# Altium PCB PCB2.PcbDoc
Units mm, origin at the board's own origin, x right, y up, seen from the top; angles counter-clockwise.
Board outline 99.85 x 79.21 mm, 2 copper layers (Top Layer, Bottom Layer); 37 components, 28 nets, 189 pads, 33 vias.
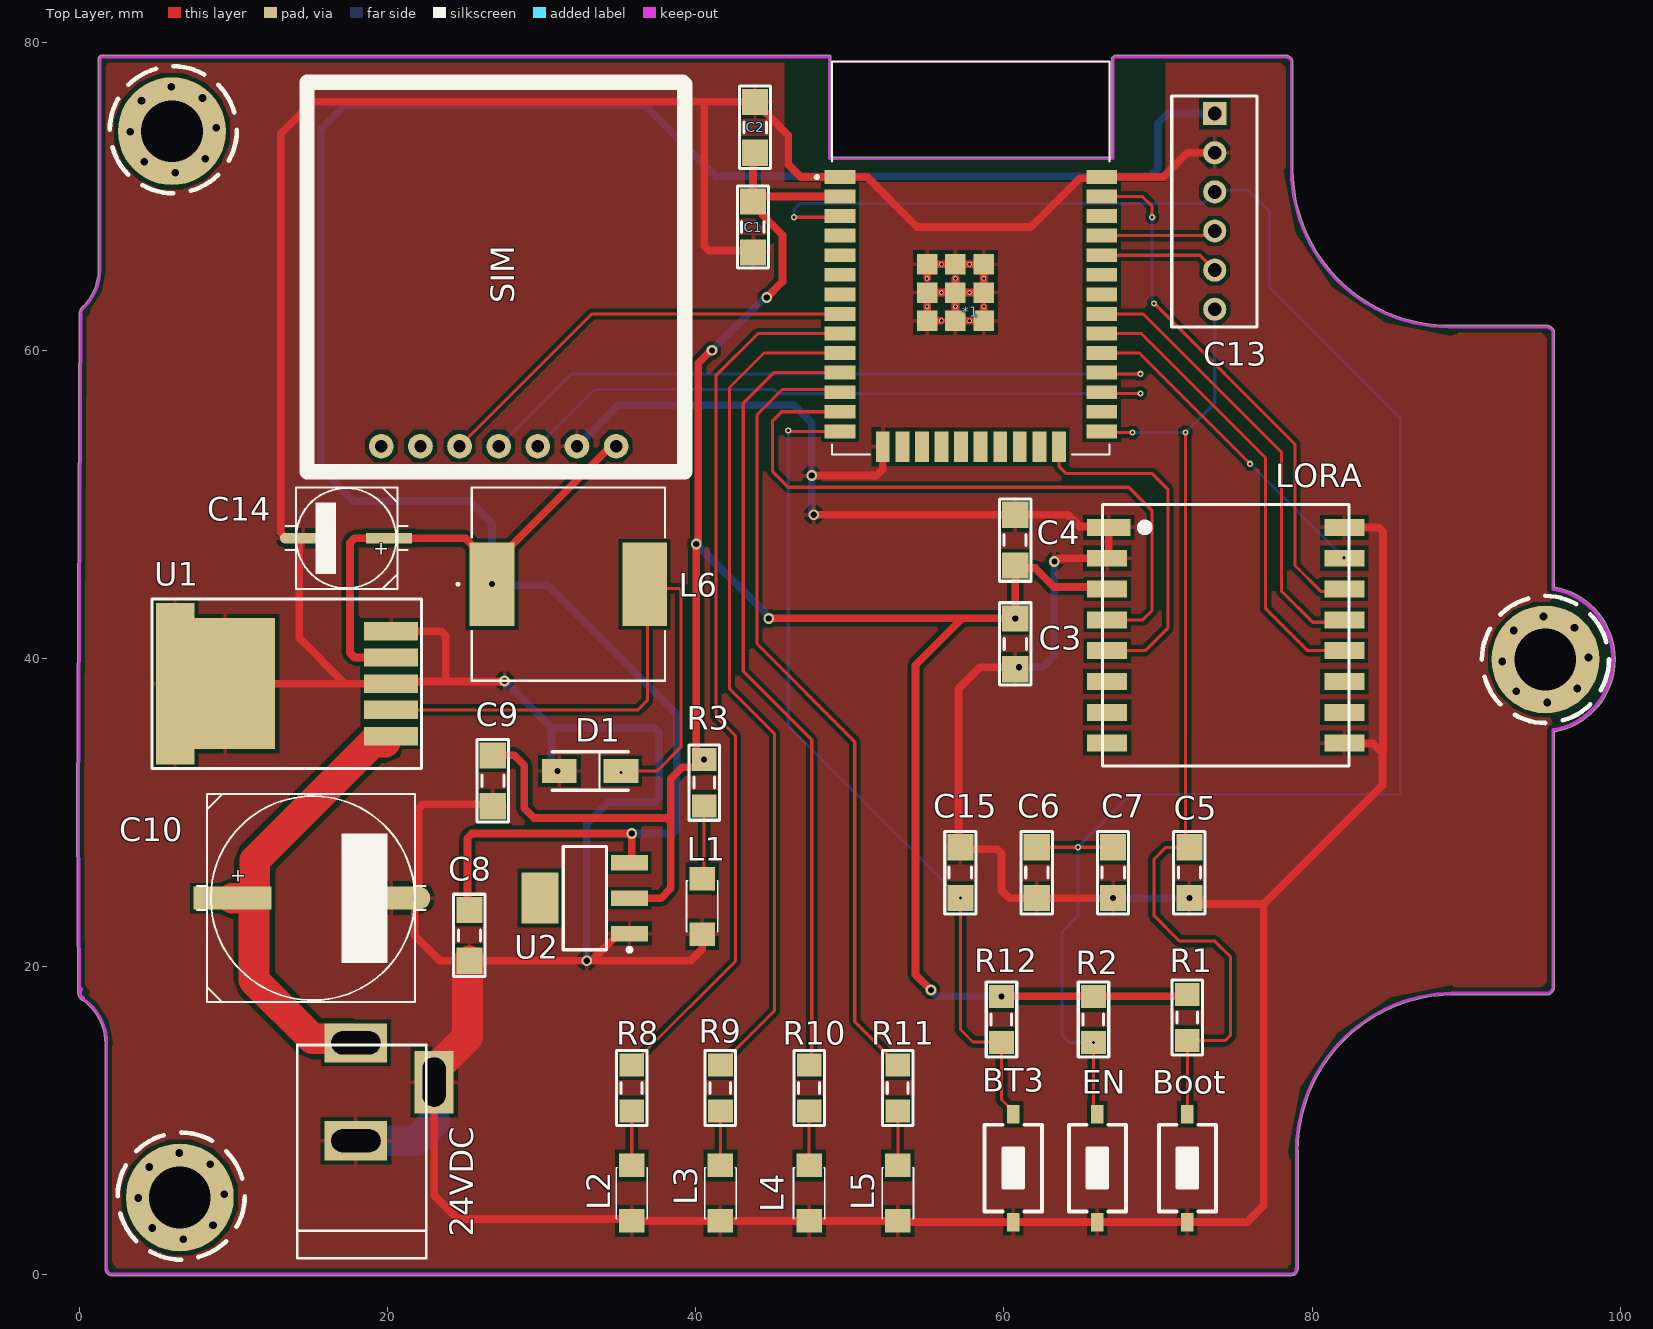
[diagram p0: Top Layer view]
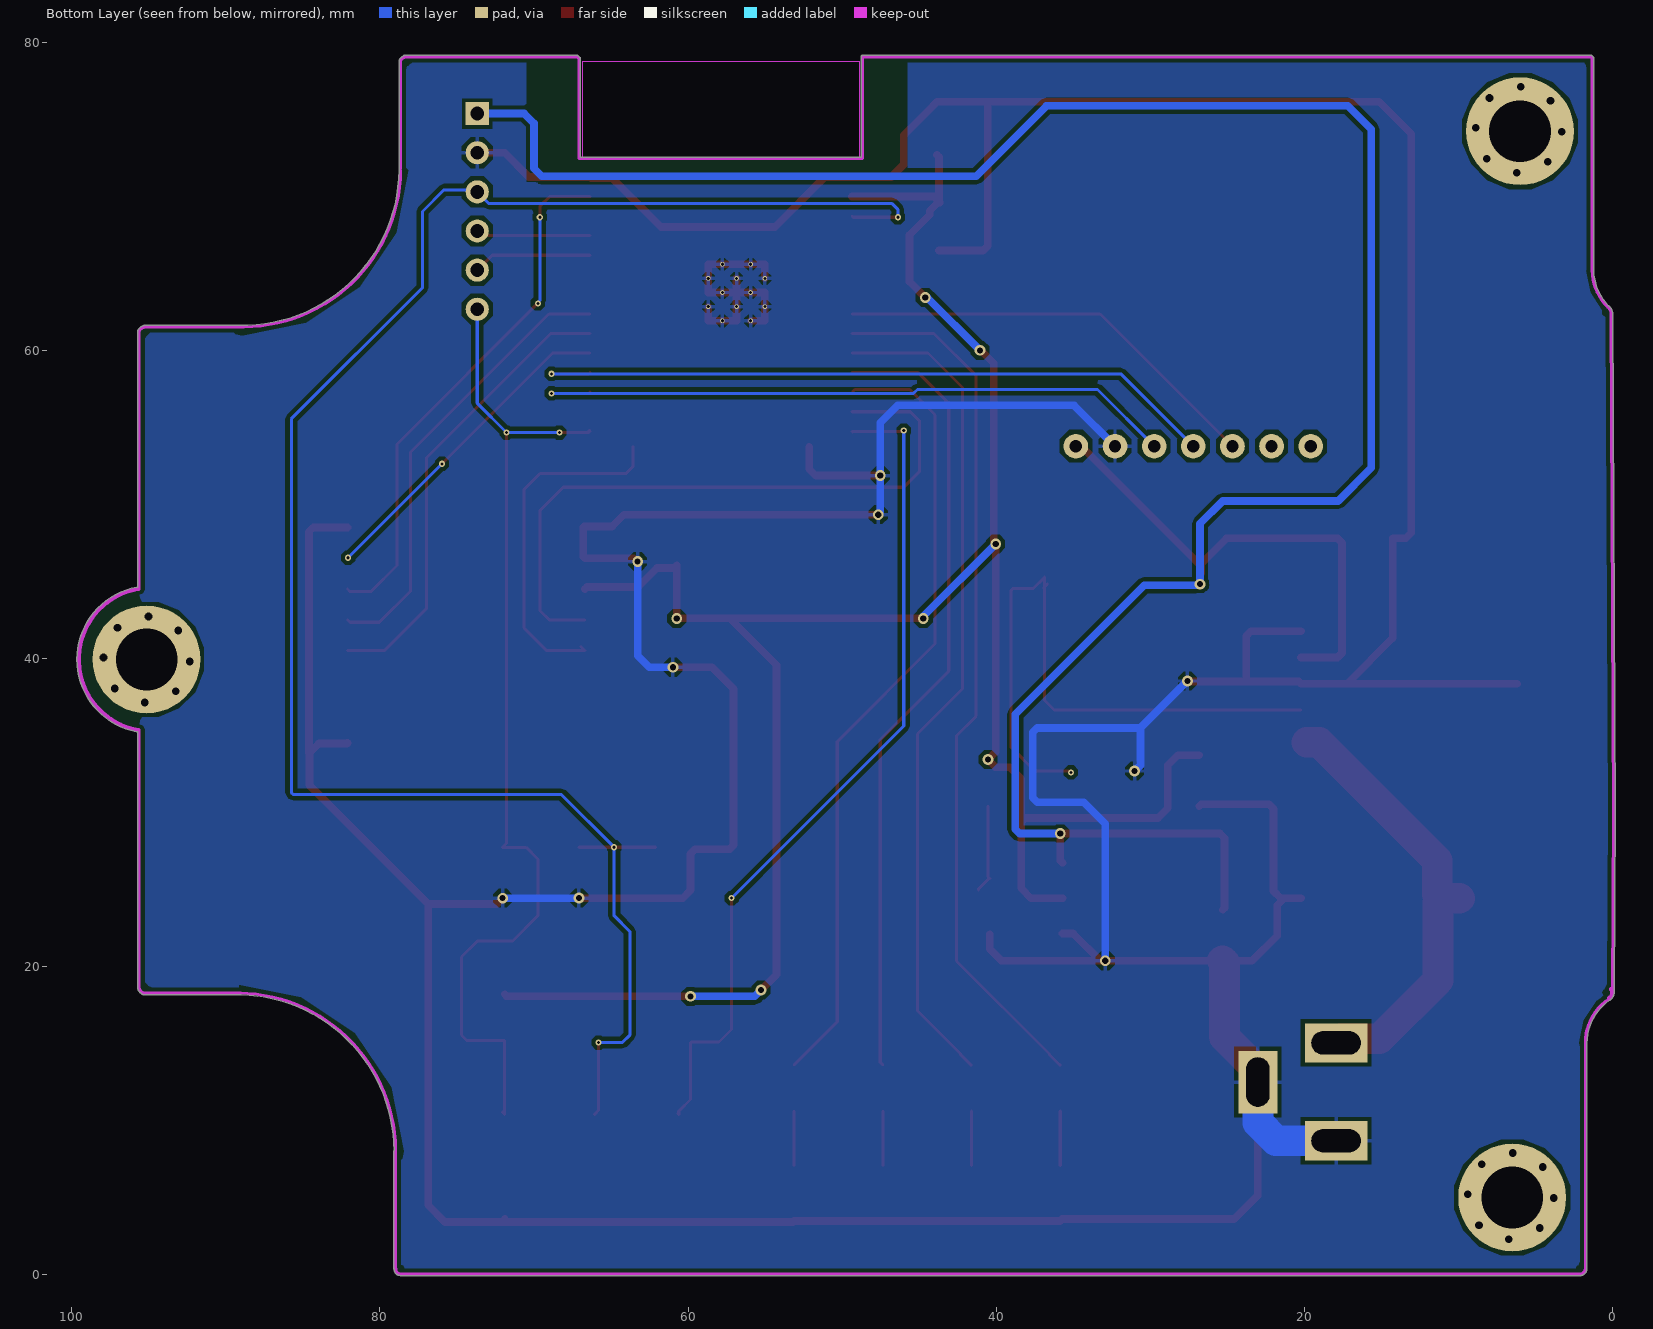
[diagram p1: Bottom Layer view, seen from below]
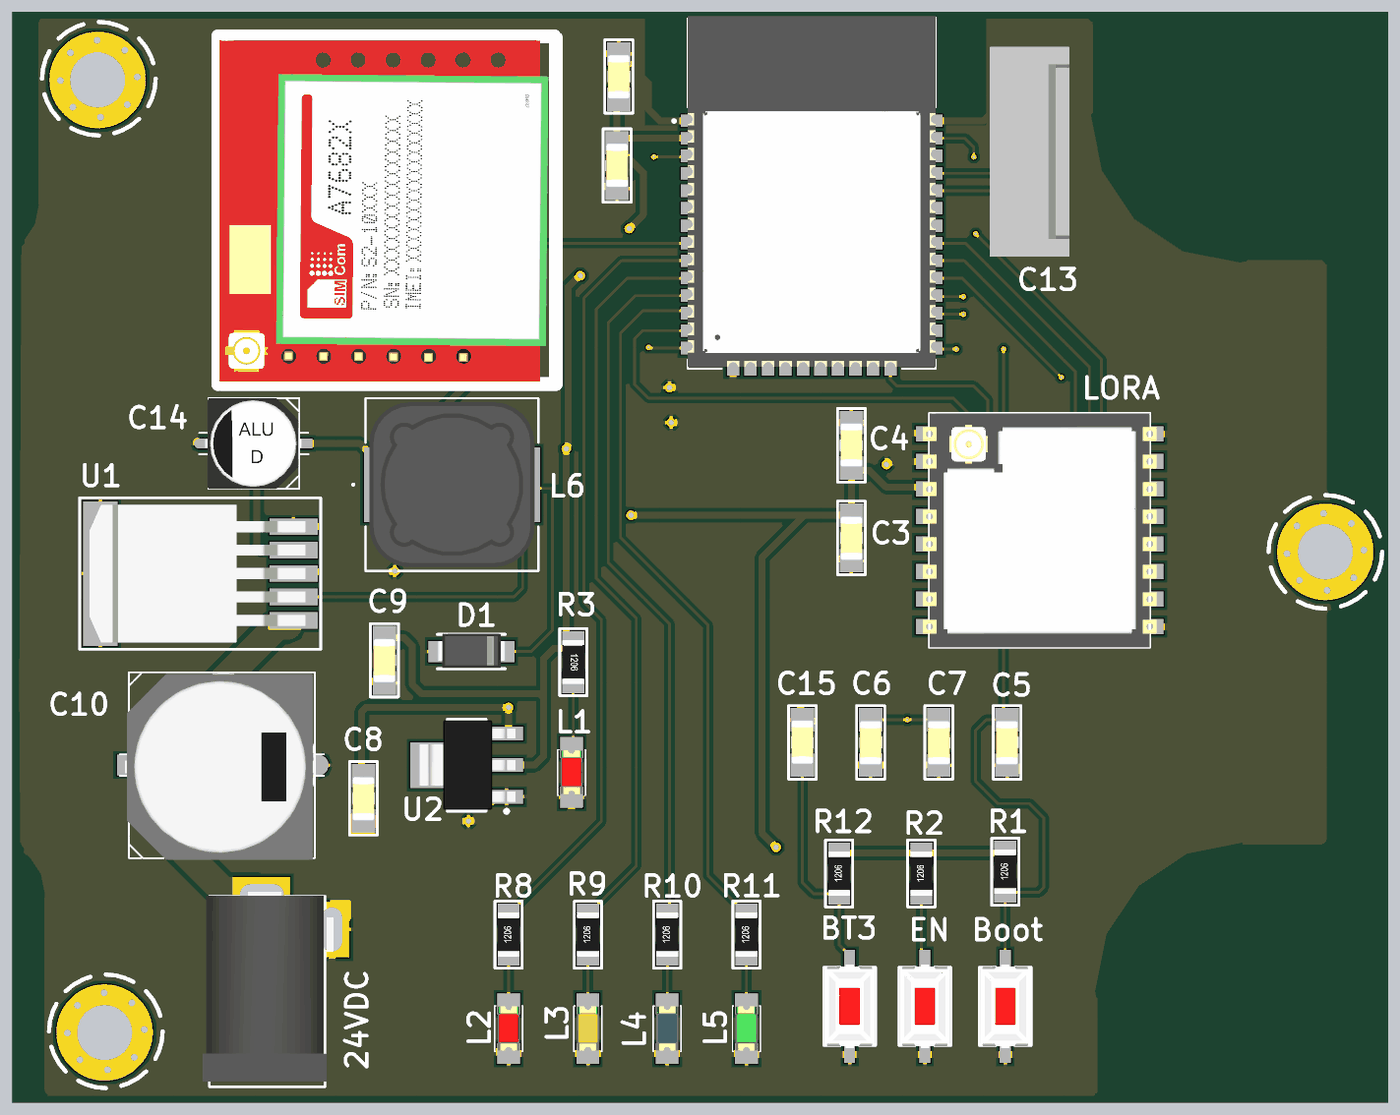
[diagram p2: 3D render of the assembled board from above, using the file's embedded part models]

## Layer stack, top to bottom
Top Solder: solder mask 0.0102, Solder Resist, Dk 3.5
Top Layer: signal copper 0.0356
Dielectric 1: dielectric 0.32, FR-4, Dk 4.8
Bottom Layer: signal copper 0.0356
Bottom Solder: solder mask 0.0102, Solder Resist, Dk 3.5

## Board outline
0.124,17.88 cw(c0.409,18.309) -0.104,18.354 -0.174,30.043 -0.022,62.425 cw(c0.626,62.372) 0.251,62.903 ccw(c-2.136,65.258) 1.216,65.206 1.216,78.983 cw(c1.317,78.983) 1.237,79.043 cw(c1.679,78.71) 1.337,79.145 cw(c1.399,79.066) 1.412,79.166 48.669,79.166 cw(c48.669,79.066) 48.769,79.066 48.769,72.562 66.983,72.562 66.983,78.939 cw(c67.084,78.939) 67.013,79.01 67.14,79.137 cw(c67.211,79.066) 67.211,79.166 78.12,79.166 cw(c78.231,78.583) 78.342,79.166 78.391,79.166 cw(c78.391,79.066) 78.474,79.123 cw(c78.231,78.604) 78.755,78.833 cw(c78.663,78.793) 78.764,78.793 78.764,71.801 cw(c78.664,71.801) 78.748,71.746 cw(c78.659,71.7) 78.759,71.701 ccw(c88.928,71.801) 89.131,61.634 cw(c89.156,61.537) 89.156,61.637 89.26,61.637 ccw(c88.928,71.797) 89.379,61.642 cw(c89.383,61.542) 89.414,61.637 95.299,61.637 cw(c95.299,61.537) 95.37,61.608 cw(c95.194,61.054) 95.723,61.293 cw(c95.614,61.242) 95.735,61.246 cw(c95.634,61.246) 95.734,61.232 95.734,44.652 cw(c94.921,40.081) 95.785,44.642 cw(c94.897,39.95) 99.673,39.95 cw(c94.897,39.95) 95.81,35.262 cw(c94.896,39.953) 95.734,35.248 95.734,29.1 95.734,18.644 cw(c95.633,18.644) 95.731,18.619 cw(c95.125,18.76) 95.386,18.195 cw(c95.344,18.286) 95.334,18.186 89.029,18.186 cw(c89.029,18.286) 89.008,18.188 ccw(c89.258,8.022) 79.089,8.071 cw(c78.994,8.039) 79.094,8.039 79.094,7.69 ccw(c89.256,8.022) 79.099,7.571 cw(c78.984,7.568) 79.094,7.536 79.094,0.412 cw(c78.994,0.412) 79.077,0.357 cw(c78.682,0.357) 78.687,-0.038 2.021,-0.038 cw(c2.021,0.062) 1.991,-0.034 cw(c2.136,0.427) 1.653,0.405 1.653,15.035 ccw(c-1.853,15.053) 1.653,15.052 ccw(c-1.7,15.052) 0.157,17.844 cw(c0.213,17.928)

## Design rules (kind name [scope] priority, off if disabled: settings)
Clearance Clearance_power [InNetClass('power')] p1: gap=0.254 ignorepadtopadclearanceinfootprint=FALSE
Clearance Clearance_Signal [All] p2: gap=0.127 ignorepadtopadclearanceinfootprint=FALSE
PolygonConnect [All] p1: connectstyle=Relief reliefconductorwidth=0.254 reliefentries=4 polygonreliefangle="90 Angle" airgapwidth=0.254
RoutingVias RoutingVias_power [InNetClass('power')] p1: holewidth=0.4 width=0.7 viastyle="Through Hole" minholewidth=0.4 minwidth=0.7 maxholewidth=0.6 maxwidth=1.1
RoutingVias RoutingVias_1 [All] p2: holewidth=0.2 width=0.4 viastyle="Through Hole" minholewidth=0.2 minwidth=0.4 maxholewidth=0.2 maxwidth=0.4
SolderMaskExpansion [All] p1: expansion=0.102 istentingtop=FALSE
Width Width_power [InNetClass('power')] p1: maxlimit=2 minlimit=0.254 preferedwidth=0.5
Width Width_Signal [All] p2: maxlimit=0.2 minlimit=0.2 preferedwidth=0.2
30 further rules are at their usual default settings.

## Components (designator, comment, footprint, x,y, rotation, side; value= is the part's Value field where it differs from the comment)
24VDC "JACK DC 5.5" "JACK DC 5.5" 20.475,11.883 r90 top value="Jac DC"
*1 "ESP32 WROOM 32" ESP32-WROOM-32D 57.854,66.009 r0 top
Boot "Nut Nhan 2 Chan SMD 3x6x2.5" "Nut Nhan 2 Chan SMD 3x6x2.5" 71.91,6.93 r90 top
BT3 "Nut Nhan 2 Chan SMD 3x6x2.5" "Nut Nhan 2 Chan SMD 3x6x2.5" 60.607,6.93 r90 top
C1 "106" "tu 1206" 43.716,68.017 r90 top
C2 "104" "tu 1206" 43.843,74.494 r270 top
C3 "104" "tu 1206" 60.734,40.966 r270 top
C4 "106" "tu 1206" 60.734,47.696 r90 top
C5 "104" "tu 1206" 72.037,26.107 r270 top
C6 "105" "tu 1206" 62.131,26.107 r270 top
C7 "104" "tu 1206" 67.084,26.107 r270 top
C8 "106" "tu 1206" 25.301,22.044 r270 top
C9 "106" "tu 1206" 26.825,32.076 r270 top
C10 "CN-ALU-SMD" CAP-ALU-SMD-H 15.141,24.456 r0 top
C13 "Header6" HDR6 73.688,75.383 r270 top
C14 "CN-ALU-SMD" CAP-ALU-SMD-D 17.3,47.824 r180 top
C15 "104" "tu 1206" 57.178,26.107 r90 top
D1 "SS54" DO-214AC 35.708,33.904 r180 top
EN "Nut Nhan 2 Chan SMD 3x6x2.5" "Nut Nhan 2 Chan SMD 3x6x2.5" 66.068,6.93 r90 top
L1 "LED 0805" LED-1206-Red 40.414,25.726 r270 top
L2 "LED 0805" LED-1206-Red 35.842,7.107 r270 top
L3 "LED 0805" LED-1206-Yellow 41.599,7.107 r270 top
L4 "LED 0805" LED-1206-Blue 47.357,7.107 r270 top
L5 "LED 0805" LED-1206-Green 53.114,7.107 r270 top
L6 "CDRH127" 33uH 25.301,38.512 r0 top
LORA "Ra-02" Sx1278 64.751,32.529 r0 top
R1 "10k" "tro smd 1206" 71.91,16.709 r90 top
R2 "10k" "tro smd 1206" 65.814,16.582 r90 top
R3 "1k" "Tro smd 1206" 40.541,31.949 r270 top
R8 "1k" "tro smd 1206" 35.842,12.137 r90 top
R9 "1k" "tro smd 1206" 41.599,12.137 r90 top
R10 "1k" "Tro smd 1206" 47.357,12.137 r90 top
R11 "1k" "Tro smd 1206" 53.114,12.137 r90 top
R12 "10k" "tro smd 1206" 59.845,16.582 r90 top
SIM "SIMA7680C" SIMA7680C 19.586,53.793 r0 top
U1 "LM2596" TO263-5 20.695,38.377 r90 top
U2 "LM1117-3.3V" SOT223 32.794,24.456 r90 top

## Footprints (in the part's own frame and the unit in brackets; to place one, negate y for a bottom-side part, rotate by r counter-clockwise, add the part's x,y. Pads: shape width x height; smd on the part's side, far side on the other; paste and mask are expansions set on the pad)
33uH [mil]
  rect 114x213 smd: 1(58,249) 2(448,249)
  silkscreen extent -32,2 500,496, body extent 17,13 489,485, height 315
CAP-ALU-SMD-D [mm]
  rect 3x0.7 smd: 1(-2.794,0)
  oval 3x0.7 smd: 2(2.794,0)
  silkscreen extent -4,-3.3 3.93,3.3, body extent -3.5,-3.3 3.5,3.3, height 5.4
CAP-ALU-SMD-H [mm]
  rect 5.08x1.5 smd: 1(-5.207,0)
  oval 5.08x1.5 smd: 2(5.08,0)
  silkscreen extent -7.52,-6.75 7.3,6.75, body extent -7.15,-6.88 6.65,6.62, height 13.5
DO-214AC [mm]
  rect 2.25x1.55 smd: 1(0.565,1.194) 2(4.565,1.194)
  silkscreen extent 0.09,-0.06 5.04,2.44, body extent 0.09,-0.11 5.04,2.39, height 2.2
ESP32-WROOM-32D [mm]
  rect 2x0.9 smd: 1(-8.5,5.26) 2(-8.5,3.99) 3(-8.5,2.72) 4(-8.5,1.45) 5(-8.5,0.18) 6(-8.5,-1.09) 7(-8.5,-2.36) 8(-8.5,-3.63) 9(-8.5,-4.9) 10(-8.5,-6.17) 11(-8.5,-7.44) 12(-8.5,-8.71) 13(-8.5,-9.98) 14(-8.5,-11.25) 25(8.5,-11.25) 26(8.5,-9.98) 27(8.5,-8.71) 28(8.5,-7.44) 29(8.5,-6.17) 30(8.5,-4.9) 31(8.5,-3.63) 32(8.5,-2.36) 33(8.5,-1.09) 34(8.5,0.18) 35(8.5,1.45) 36(8.5,2.72) 37(8.5,3.99) 38(8.5,5.26)
  rect 0.9x2 smd: 15(-5.715,-12.25) 16(-4.445,-12.25) 17(-3.175,-12.25) 18(-1.905,-12.25) 19(-0.635,-12.25) 20(0.635,-12.25) 21(1.905,-12.25) 22(3.175,-12.25) 23(4.445,-12.25) 24(5.715,-12.25)
  rect 1.33x1.33 smd: 39(-2.835,-4.075) 39(-2.835,-2.24) 39(-2.835,-0.405) 39(-1,-4.075) 39(-1,-2.24) 39(-1,-0.405) 39(0.835,-4.075) 39(0.835,-2.24) 39(0.835,-0.405)
  round 0.3 hole 0.2: 39(-2.835,-3.157) 39(-2.835,-1.322) 39(-1.917,-4.075) 39(-1.917,-2.24) 39(-1.917,-0.405) 39(-1,-3.157) 39(-1,-1.322) 39(-0.082,-4.075) 39(-0.082,-2.24) 39(-0.082,-0.405) 39(0.835,-3.157) 39(0.835,-1.322)
  Keep-Out Layer region: 9,6.45 -9,6.45 -9,12.75 9,12.75
  Keep-Out Layer region: 9,6.45 -9,6.45 -9,12.75 9,12.75
  silkscreen extent -10.1,-12.75 9,12.75, body extent -9,-12.62 9,12.88, height 3.2
HDR6 [mm] "Connector; Header; 6 Position"
  rect 1.5x1.5 hole 0.9: 1(0,0)
  round 1.5 hole 0.9: 2(2.54,0) 3(5.08,0) 4(7.62,0) 5(10.16,0) 6(12.7,0)
  silkscreen extent -1.14,-2.79 13.84,2.74, body extent -1.27,-2.92 13.97,2.88, height 11.72
"JACK DC 5.5" [mm] "Jac DC input"
  rect 2.54x4.064 hole 1.5 slot 3.2 at 90 deg: 1(3.175,2.54) 2(-3.175,2.54)
  rect 4.064x2.54 hole 1.5 slot 3.2 at 0 deg: 3(0.635,-2.54)
  silkscreen extent -10.79,-2.03 3.05,6.35, body extent -10.42,-2.67 3.4,6.84, height 11.02
LED-1206-Blue [mil] "Compoment SMD 120x60mil"
  rect 60x65 smd: 1(0,0) 2(142,0)
  silkscreen extent 6,-40 136,40, body extent 7,-31 133,32, height 43
LED-1206-Green [mil]
  rect 60x65 smd: 1(0,0) 2(142,0)
  silkscreen extent 6,-40 136,40, body extent 7,-31 133,32, height 43
LED-1206-Red [mil]
  rect 60x65 smd: 1(0,0) 2(142,0)
  silkscreen extent 6,-40 136,40, body extent 7,-31 133,32, height 43
LED-1206-Yellow [mil]
  rect 60x65 smd: 1(0,0) 2(142,0)
  silkscreen extent 6,-40 136,40, body extent 7,-31 133,32, height 43
"Nut Nhan 2 Chan SMD 3x6x2.5" [mm] "Switch SMD type"
  rect 1.2x0.8 smd: 1(-3.5,0) 2(3.5,0)
  silkscreen extent -2.82,-1.85 2.82,1.85, body extent -3.05,-1.85 3.05,1.85, height 2.5
SIMA7680C [mm]
  round 1.6 hole 0.8 mask+0.1: 1(0,0) 2(2.54,0) 3(5.08,0) 4(7.62,0) 5(10.16,0) 6(12.7,0) 7(15.24,0)
  body extent -4.76,-1.48 19.14,23.34, height 14.95
SOT223 [mm]
  rect 1x2.4 smd: 1(-2.3,-2.9) 2(0,-2.9) 3(2.3,-2.9)
  rect 3.3x2.4 smd: 4(0,2.9)
  silkscreen extent -3.47,-3.03 3.35,1.4, body extent -3.25,-3.56 3.25,3.4, height 1.68
Sx1278 [mm]
  rect 2.8x1.1 smd: 1(2.052,15.992)
  rect 2.6x1.1 smd: 2(1.952,13.992) 3(1.952,11.992) 4(1.952,9.992) 5(1.952,7.992) 6(1.952,5.992) 7(1.952,3.992) 8(1.952,1.992) 9(17.352,1.992) 10(17.352,3.992) 11(17.352,5.992) 12(17.352,7.992) 13(17.352,9.992) 14(17.352,11.992) 15(17.352,13.992) 16(17.352,15.992)
  silkscreen extent 1.65,0.49 17.65,17.49, body extent 1.15,0.49 18.15,17.49, height 3.3
TO263-5 [mm] "LM2576-SMD"
  rect 1.2x3.5 smd: 1(-3.4,0.475) 2(-1.7,0.475) 3(0,0.475) 4(1.7,0.475) 5(3.4,0.475)
  rect 10.5x2.5 smd: 6(0,14.5)
  rect 8.5x6.5 smd: 6(0,11.25)
  silkscreen extent -5.5,-1.5 5.5,16, body extent -5,-0.38 5,15.29, height 4.79
"tro smd 1206" [mm]
  rect 1.5x1.6 smd: 1(-1.5,0) 2(1.5,0)
  silkscreen extent -2.44,-0.99 2.44,0.99, body extent -1.6,-0.8 1.6,0.8, height 0.6
"Tro smd 1206" [mm]
  rect 1.5x1.6 smd: 1(-1.5,0) 2(1.5,0)
  silkscreen extent -2.44,-0.99 2.44,0.99, body extent -1.6,-0.8 1.6,0.8, height 0.6
"tu 1206" [mm]
  rect 1.7x1.7 smd: 1(-1.65,0) 2(1.65,0)
  silkscreen extent -2.67,-1.02 2.67,1.02, body extent -1.57,-0.8 1.63,0.8, height 0.94

## Part data
C1 C4 C8 C9: library part "Tu 1206 106 16V 20%", "Dán", Chung_Loai=Dán, Don_Vi=Con, Ma_Hang=MH004541, So_Chan=2, Ten_Linh_Kien="Tụ 1206 106-10uF 20% 16V"
C2 C3 C5 C7 C15: library part "Tu 1206 104 50V 20%", "Dán", Chung_Loai=Dán, Don_Vi=Con, Ma_Hang=MH004544, So_Chan=2, Ten_Linh_Kien="Tụ 1206 104-0.1uF 20% 50V"
C6: library part "Tu 1206 105 50V 20%", "Dán", Chung_Loai=Dán, Don_Vi=Con, Ma_Hang=MH004545, So_Chan=2, Ten_Linh_Kien="Tụ 1206 105-1uF 20% 50V"
C10 C14: "Polarized Capacitor (Axial)", LatestRevisionDate=17-Jul-2002, LatestRevisionNote="Re-released for DXP Platform.", PackageReference=POLAR0.8, Published=8-Jun-2000, Publisher="Altium Limited"
C13: "Header IDC, 6 x 1 Pin Vertical 2.54mm Pitch (Non-Boxed, Male)", Manufacturer="W¨¹rth Elektronik eiSos GmbH", partNo=613002143121, ComponentLink1 Description=Manufacturer, ComponentLink1URL=http://www.we-online.com, ComponentLink2 Description=Datasheet, ComponentLink2URL=http://katalog.we-online.de/em/datasheet/6130xx143121.pdf, Created by="Karrer Zheng", Created Date="29 March 2013", NoPins=02
D1: "Diode Schottky 40 V 5A Surface Mount DO-214AC (SMA)"
L1 L2: library part "LED 1206 Do", "Dán", Chung_Loai=Dán, Don_Vi=Con, Ma_Hang=MH002334, Ten_Linh_Kien="LED1206 Màu Đỏ (Red)"
L3: library part "LED 1206 Vang", "Dán", Chung_Loai=Dán, Don_Vi=Con, Ma_Hang=MH002331, Ten_Linh_Kien="LED1206 Màu Vàng (Yellow)"
L4: library part "LED 1206 Xanh Duong", "Dán", Chung_Loai=Dán, Don_Vi=Con, Ma_Hang=MH002333, Ten_Linh_Kien="LED1206 Màu Xanh Dương (Blue)"
L5: library part "LED 1206 Xanh La", "Dán", Chung_Loai=Dán, Don_Vi=Con, Ma_Hang=MH002947, Ten_Linh_Kien="LED1206 Màu Xanh Lá (Green)"
L6: "33uH - Inductor 4.2 A"
LORA: "Lora sx1278"
R1 R12: library part "Tro 1206 5% 1k", "Dán", Chung_Loai=Dán, Don_Vi=Con, Ma_Hang=MH005904, So_Chan=2, Ten_Linh_Kien="Trở 1206 5% 1k"
R2: library part "Tro 1206 1% 10k", "Dán", Chung_Loai=Dán, Don_Vi=Con, Ma_Hang=MH005885, So_Chan=2, Ten_Linh_Kien="Trở 1206 1% 10k"
R3 R8 R9 R10 R11: library part "Tro 1206 5% 390R", "Dán", Chung_Loai=Dán, Don_Vi=Con, Ma_Hang=MH005927, So_Chan=2, Ten_Linh_Kien="Trở 1206 5% 390R"
U1: "1A Regulator"
U2: library part LM1117, "800mA Low-Dropout Linear Regulator", Creator="Nguyen Ba Bien", Website=http://group3i.net
Boot BT3 EN: Ma_Hang=MH001036, Ten="Nút Nhấn 2 Chân 3x6x2.5MM SMD"

## Free pads (board coordinates)
  round 7 hole 4 mask+0.1: 52(5.997,74.24) 52(6.505,5.025) 52(95.151,39.95)
  round 0.5 hole 0.5 mask+0.1: 68(8.881,74.456) 68(9.389,5.241) 68(97.945,40.077) 69(7.973,76.395) 69(8.481,7.18) 69(97.037,42.015) 70(5.96,77.123) 70(6.468,7.908) 70(95.024,42.744) 71(4.021,76.215) 71(4.529,7) 71(93.085,41.835) 72(3.293,74.202) 72(3.801,4.987) 72(92.357,39.823) 73(4.201,72.264) 73(4.709,3.049) 73(93.265,37.884) 74(6.214,71.535) 74(6.722,2.32) 74(95.278,37.156) 75(8.152,72.444) 75(8.66,3.229) 75(97.216,38.064)

## Via types
v1: diameter 0.7, hole 0.4, Top Layer to Bottom Layer, 19 vias
v2: diameter 0.4, hole 0.2, Top Layer to Bottom Layer, 14 vias

## Nets (pads, with @x,y where several pads share a name; then routed paths per layer and width w, separated by ;. In a path a pad name is that pad's centre, name@x,y a point inside that pad or via, vN(x,y) a via of type N, cw(c..) or ccw(c..) an arc to the next point about the centre after c; other vN are vias at no path point)
+3.3: *1.2 C1.2 C2.2 C3.1 C4.1 C9.1 LORA.3 R1.2 R2.2 R3.1 R12.2 U2.2 | length 151.8
  Top Layer w0.5: C9.1 28.223,33.726 28.857,33.092 28.857,30.298 29.492,29.663 38.089,29.663 38.382,29.37 ; U2.2 37.747,24.456 38.382,25.091 38.382,29.37 ; v1(41.049,60.016) 40.995,60.016 40.16,59.181 40.16,47.624 40.033,47.497 40.033,33.949 40.533,33.449 v1(40.541,33.449) 40.041,32.949 39.128,32.949 38.382,32.203 38.382,29.37 ; C1.2@43.662,69.613 44.048,69.999 *1.2 ; C2.2@43.843,72.716 43.716,72.589 C1.2 44.316,69.067 44.316,68.813 45.621,67.508 45.621,64.461 v1(44.605,63.445) ; v1(44.732,42.617) 57.305,42.617 ; v1(55.273,18.487) 54.257,19.503 54.257,39.569 57.305,42.617 ; v1(59.845,18.082) R2.2 71.783,18.082 R1.2 ; LORA.3 66.575,44.649 63.274,44.649 62.041,45.881 60.898,45.881 C4.1 v1(60.734,42.617) 57.305,42.617
  Bottom Layer w0.5: v1(40.033,47.443) 44.694,42.782 44.694,42.655 v1(44.732,42.617) ; v1(41.049,60.016) 44.44,63.406 44.567,63.406 v1(44.605,63.445) ; v1(55.273,18.487) 55.678,18.082 v1(59.845,18.082)
+5: C8.1 C13.1 C14.1 L6.1 SIM.7 U1.4 U2.3 | length 179
  Top Layer w0.5: U1.4 17.847,40.077 17.554,40.369 17.554,47.531 17.847,47.824 25.045,47.824 26.698,46.171 L6.1@26.698,45.538 ; C8.1 25.174,23.821 25.174,28.354 25.467,28.647 v1(35.842,28.647) 35.842,26.904 U2.3 ; v1(26.774,44.837) 26.774,46.094 34.377,53.697 34.73,53.697 SIM.7
  Bottom Layer w0.5: v1@26.694,44.786 26.707,44.799 26.954,44.799 26.977,44.776 30.381,44.776 38.763,36.394 38.763,28.939 38.47,28.647 v1(35.842,28.647) ; v1(26.774,44.837) 26.774,48.763 25.301,50.237 17.808,50.237 15.649,52.396 15.649,74.367 17.173,75.891 36.731,75.891 41.303,71.319 69.497,71.319 70.005,71.827 70.005,74.748 70.64,75.383 C13.1
+24V: 24VDC.1 C10.1 U1.1 | length 28.7
  Top Layer w2: C10.1 11.119,24.456 11.369,24.706 11.369,26.907 19.039,34.577 U1.1@19.821,34.577 ; C10.1@11.331,24.206 11.331,19.122 15.125,15.328 17.665,15.328 24VDC.1
DIO0: *1.24 LORA.5 | length 22.9
  Top Layer w0.2: *1.24 63.569,52.482 64.036,52.015 69.624,52.015 70.64,50.999 70.64,41.982 69.179,40.521 LORA.5 LORA.5@66.956,40.774
EN: *1.3 C6.1 C7.1 C13.3 EN.2 R2.1 | length 123.7
  Top Layer w0.2: v2(46.383,68.652) 49.277,68.652 *1.3 ; C6.1 C6.1 v2(64.798,27.758) C7.1 C7.1 ; v2(65.814,15.082) 65.814,10.684 EN.2
  Bottom Layer w0.2: v2(46.383,68.652) 46.383,69.169 46.754,69.541 72.926,69.541 73.815,70.43 75.847,70.43 77.244,69.033 77.244,64.08 85.753,55.571 85.753,31.304 85.636,31.187 68.227,31.187 v2(64.798,27.758) 64.798,23.313 63.782,22.297 63.782,15.566 64.266,15.082 v2(65.814,15.082)
ESP_IO0: *1.25 Boot.2 C5.1 C13.6 R1.1 | length 66.7
  Top Layer w0.2: *1.25@66.417,54.822 *1.25 66.431,54.682 v2(68.354,54.682) ; v2(71.783,54.682) 71.783,28.011 C5.1 70.512,27.757 69.751,26.996 69.751,23.313 71.402,21.662 73.688,21.662 74.704,20.646 74.704,15.566 74.347,15.209 R1.1 Boot.2 Boot.2@72.037,10.557
  Bottom Layer w0.2: v2(68.354,54.682) v2(71.783,54.682) 73.688,56.587 C13.6
ESP_IO12: *1.14 BT3.2 C15.1 R12.1 | length 55
  Top Layer w0.2: v2(46.002,54.809) 46.052,54.759 *1.14 *1.14@49.313,54.718 ; v2(57.178,24.456) 57.178,15.926 57.989,15.116 59.811,15.116 R12.1 59.845,11.392 60.607,10.63 BT3.2 BT3.2@60.641,10.463
  Bottom Layer w0.2: v2(46.002,54.809) 46.002,35.632 53.876,27.758 v2(57.178,24.456)
ESP_RX0: *1.34 C13.5 | length 7.7
  Top Layer w0.2: *1.34 72.722,66.189 C13.5
ESP_RX2: *1.27 SIM.5 | length 43.3
  Top Layer w0.2: *1.27 66.431,57.222 v2(68.862,57.222)
  Bottom Layer w0.2: SIM.5 33.429,57.476 45.113,57.476 45.367,57.222 v2(68.862,57.222)
ESP_TX0: *1.35 C13.4 | length 7.5
  Top Layer w0.2: *1.35 72.921,67.459 72.976,67.514 73.439,67.514 C13.4
ESP_TX2: *1.28 SIM.4 | length 46.1
  Top Layer w0.2: *1.28 66.431,58.492 v2(68.862,58.492)
  Bottom Layer w0.2: SIM.4 31.905,58.492 v2(68.862,58.492)
GND: 24VDC.2 24VDC.3 *1.1 *1.15 *1.38 *1.39 Boot.1 BT3.1 C1.1 C2.1 C3.2 C4.2 C5.2 C6.2 C7.2 C8.2 C9.2 C10.2 C13.2 C14.2 C15.2 D1.2 EN.1 L1.2 L2.2 L3.2 L4.2 L5.2 LORA.1 LORA.2 LORA.9 LORA.16 SIM.6 U1.3 U1.5 U1.6 U2.1 | length 468.6
  Top Layer w0.5: U1.6@6.195,38.377 9.445,38.377 17.222,38.377 ; C10.2 C10.2@21.299,24.456 ; U1.5 23.474,41.777 23.777,41.474 23.777,38.514 ; 24VDC.3 23.015,5.152 24.539,3.628 35.715,3.628 L2.2 L3.2 L4.2 L5.2 53.185,3.43 BT3.1 EN.1 71.76,3.43 71.91,3.58 Boot.1@71.91,3.63 ; C8.2@25.174,20.267 25.049,20.392 23.396,20.392 21.761,22.027 21.761,23.994 C10.2@21.299,24.456 ; C8.2 v1(32.921,20.394) v1@33.232,20.394 ; C9.2 26.699,30.552 22.292,30.552 21.999,30.259 21.999,24.918 21.537,24.456 C10.2@21.299,24.456 ; v1(27.587,38.553) 27.549,38.514 23.777,38.514 ; U2.1 34.994,22.156 v1@33.232,20.394 ; L1.2 40.414,21.154 39.654,20.394 v1@33.232,20.394 ; C1.1@43.716,66.495 40.834,66.495 40.541,66.787 40.541,76.144 ; v1(47.526,51.888) 51.717,51.888 52.139,52.31 *1.15 ; v1(47.653,49.348) 52.225,49.348 52.227,49.346 C4.2 64.165,49.346 64.925,48.586 66.738,48.586 LORA.1 66.803,46.621 LORA.2 63.549,46.521 63.328,46.3 v1(63.274,46.3) ; *1.39@55.019,64.686 55.019,65.604 55.936,65.604 56.854,65.604 57.771,65.604 58.689,65.604 58.689,64.686 58.689,63.769 57.771,63.769 *1.39@56.854,63.769 ; *1.39@55.936,61.934 55.019,61.934 55.019,62.851 55.019,63.769 55.936,63.769 *1.39@56.854,63.769 ; *1.39@56.854,64.686 *1.39@56.854,63.769 ; *1.39@58.689,62.851 58.689,61.934 57.771,61.934 56.854,61.934 56.854,62.851 *1.39@56.854,63.769 ; v1(60.988,39.442) 58.448,39.442 57.051,38.045 57.051,27.884 C15.2 57.304,27.631 59.552,27.631 59.845,27.338 59.845,24.964 60.352,24.457 C6.2 v1(67.084,24.457) ; Boot.1 75.776,3.43 76.863,4.517 76.863,24.075 ; v1(72.037,24.456) 72.419,24.075 76.863,24.075 ; C13.2 71.91,72.843 70.336,71.269 *1.38 66.275,71.189 64.923,71.189 61.75,68.017 54.384,68.017 51.132,71.269 *1.1 46.814,71.269 46.002,72.081 46.002,73.985 44.443,75.544 C2.1 40.541,76.144 ; LORA.9 82.135,34.489 83.975,34.489 84.575,33.889 84.575,31.787 76.863,24.075 ; LORA.16 84.317,48.521 84.61,48.228 84.61,33.889 ; 17.222,38.377 U1.3 20.359,38.514 23.777,38.514 ; 17.222,38.377 14.252,41.347 14.252,47.824 13.41,47.824 13.06,48.174 13.06,74.064 15.14,76.144 40.541,76.144
  Top Layer w2: 24VDC.3 23.015,13.28 25.174,15.439 25.174,20.267 C8.2
  Bottom Layer w0.5: v1(27.587,38.553) 30.635,35.505 ; v1(31.016,32.711) 30.635,33.092 30.635,35.505 ; SIM.6 34.953,56.46 46.383,56.46 47.526,55.317 v1(47.526,51.888) 47.526,49.529 47.653,49.402 v1(47.653,49.348) ; v1(32.921,20.394) 32.921,29.282 34.318,30.679 37.327,30.679 37.62,30.971 37.62,35.212 37.327,35.505 30.635,35.505 ; v1(60.988,39.442) 62.512,39.442 63.274,40.204 v1(63.274,46.3) ; v1(67.084,24.457) v1(72.037,24.456) v1(72.037,24.456)
  Bottom Layer w2: 24VDC.2 21.843,8.708 23.015,9.879 24VDC.3
Led1: *1.9 R8.2 | length 57.3
  Top Layer w0.2: R8.2 35.892,13.637 36.542,14.287 36.542,14.337 42.573,20.368 42.573,34.997 41.303,36.267 41.303,58.365 44.047,61.109 *1.9
Led2: *1.10 R9.2 | length 54.7
  Top Layer w0.2: R9.2 41.649,13.637 42.299,14.287 42.299,14.337 45.113,17.15 45.113,35.124 42.192,38.045 42.192,57.603 44.428,59.839 *1.10
Led3: *1.11 R10.2 | length 52
  Top Layer w0.2: R10.2 47.526,13.806 47.526,34.743 43.081,39.188 43.081,56.587 45.063,58.569 *1.11
Led4: *1.12 R11.2 | length 52
  Top Layer w0.2: *1.12@49.291,57.362 49.177,57.476 45.621,57.476 43.97,55.825 43.97,40.966 50.32,34.616 50.32,16.431 R11.2
MISO: *1.31 LORA.13 | length 29.4
  Top Layer w0.2: *1.31 69.039,62.379 78.006,53.412 78.006,44.395 80.038,42.363 81.945,42.363 LORA.13
MOSI: *1.37 LORA.14 | length 34.7
  Top Layer w0.2: *1.37 68.988,69.999 69.624,69.362 v2(69.624,68.652) ; v2(69.751,63.064) 78.895,53.92 78.895,46.046 80.59,44.35 81.933,44.35 LORA.14
  Bottom Layer w0.2: v2(69.624,68.652) 69.624,63.245 69.751,63.118 v2(69.751,63.064)
NetD1_1: D1.1 L6.2 U1.2 | length 42.5
  Top Layer w0.2: U1.2 36.252,36.677 36.858,37.283 36.858,45.284 37.58,44.562 38.91,44.562 39.027,44.444 39.027,34.244 37.493,32.711 D1.1 ; L6.2 36.807,44.71 L6.2@36.934,44.583
  other v2: 35.15,32.617
NetL1_1: L1.1 R3.2 | length 5.8
  Top Layer w0.2: R3.2 40.541,25.853 L1.1 40.477,25.726 41.139,25.064 L1.1@41.139,25
NetL2_1: L2.1 R8.1 | length 3.5
  Top Layer w0.2: L2.1 R8.1
NetL3_1: L3.1 R9.1 | length 3.5
  Top Layer w0.2: L3.1 R9.1
NetL4_1: L4.1 R10.1 | length 3.5
  Top Layer w0.2: L4.1 R10.1
NetL5_1: L5.1 R11.1 | length 3.5
  Top Layer w0.2: L5.1 R11.1
NSS: *1.29 LORA.15 | length 21.2
  Top Layer w0.2: *1.29 68.785,59.839 v2(75.974,52.65)
  Bottom Layer w0.2: v2(75.974,52.65) v2(82.07,46.554)
PEN: *1.8 SIM.3 | length 28.2
  Top Layer w0.2: SIM.3 33.252,62.379 *1.8
RST_Lora: *1.13 LORA.4 | length 43.3
  Top Layer w0.2: *1.13 45.571,56.029 44.986,55.444 44.986,52.142 46.002,51.126 68.1,51.126 69.624,49.602 69.624,43.125 69.02,42.521 LORA.4
SCK: *1.30 LORA.12 | length 30
  Top Layer w0.2: *1.30 68.912,61.109 76.99,53.031 76.99,43.252 79.721,40.521 LORA.12
pads on no net: *1.4 *1.5 *1.6 *1.7 *1.16 *1.17 *1.18 *1.19 *1.20 *1.21 *1.22 *1.23 *1.26 *1.32 *1.33 *1.36 LORA.6 LORA.7 LORA.8 LORA.10 LORA.11 SIM.1 SIM.2 U2.4

## Polygon pours and split planes (outlines as drawn)
GND on Bottom Layer "gnd bottom" (solid, remove dead copper, pour order 0): -0.231,79.539 99.673,79.539 99.673,-0.308 -0.022,0.056
GND on Top Layer "gnd top" (solid, remove dead copper, pour order 1): 0.593,79.104 98.922,79.231 99.673,78.481 99.673,-2.418 97.508,-0.254 0,-0.254

## Keep-outs
Keep-Out Layer:
  lines w0.2: -0.003,18.283 -0.074,30.044 0.079,62.425 cw(c0.617,62.377) 0.315,62.826 ccw(c-2.136,65.258) 1.317,65.205 1.317,78.983 cw(c1.679,78.71) 1.399,79.066 ; 0.213,17.928 cw(c-1.7,15.052) 1.754,15.035 1.754,0.41 ccw(c2.136,0.427) 2.021,0.062 78.686,0.062 ccw(c78.682,0.357) 78.971,0.414 ; 1.399,79.066 11.178,79.066 48.669,79.066 48.669,72.462 67.084,72.462 67.084,78.939 67.116,78.97 67.179,79.034 67.211,79.066 78.391,79.066 ; 78.146,79.069 cw(c78.231,78.604) 78.663,78.793 78.663,71.801 ; 78.659,71.7 ccw(c88.928,71.801) 89.383,61.541 ; 78.994,0.412 78.994,8.039 ; 78.998,7.566 cw(c89.258,8.022) 89.157,18.291 ; 89.029,18.286 95.324,18.286 ; 89.156,61.537 95.299,61.537 95.322,61.514 ; 95.109,61.52 cw(c95.202,61.057) 95.634,61.246 ; 95.344,18.286 ccw(c95.125,18.76) 95.633,18.644 95.633,29.1 95.633,35.378 ; 95.633,44.522 95.633,50.726 95.633,61.249 ; 78.972,0.412 78.972,0.412
  lines w0.254: 0.106,18.551 ccw(c0.409,18.309) 0.236,17.962 ; 95.661,35.364 ccw(c94.897,39.95) 95.661,44.535 ; 95.761,44.517 cw(c94.897,39.95) 95.786,35.387

## Other copper
Bottom Layer:
  pour cut-out: 45.748,79.193 45.748,70.938 70.513,70.938 70.513,72.843 70.513,79.066 69.624,79.066
  pour cut-out: 46.256,79.066 46.408,78.914 46.408,70.811 69.751,70.811 69.751,79.193 69.624,79.066

## Silkscreen, mask and mechanical layers (free items; w line width, h text height)
Top Overlay:
  lines w0.3: 1.96,74.329 cw(c5.96,74.329) 2.496,76.329 ; 2.133,73.204 ccw(c5.997,74.24) 3.168,71.411 ; 2.468,5.114 cw(c6.468,5.114) 3.004,7.114 ; 2.641,3.989 ccw(c6.505,5.025) 3.676,2.196 ; 3.168,77.248 cw(c5.997,74.419) 4.962,78.283 ; 3.676,8.033 cw(c6.505,5.204) 5.47,9.068 ; 4.087,70.738 ccw(c6.087,74.202) 6.087,70.202 ; 4.595,1.523 ccw(c6.595,4.987) 6.595,0.987 ; 6.087,78.456 cw(c6.087,74.456) 8.087,77.92 ; 6.595,9.241 cw(c6.595,5.241) 8.595,8.705 ; 7.212,70.376 ccw(c6.176,74.24) 9.005,71.411 ; 7.72,1.161 ccw(c6.684,5.025) 9.513,2.196 ; 9.005,77.248 cw(c6.176,74.419) 10.04,75.454 ; 9.513,8.033 cw(c6.684,5.204) 10.548,6.239 ; 9.678,72.329 ccw(c6.214,74.329) 10.214,74.329 ; 10.186,3.114 ccw(c6.722,5.114) 10.722,5.114 ; 91.024,39.95 cw(c95.024,39.95) 91.56,41.95 ; 91.197,38.824 ccw(c95.061,39.86) 92.233,37.031 ; 92.233,42.868 cw(c95.061,40.039) 94.026,43.903 ; 93.151,36.358 ccw(c95.151,39.823) 95.151,35.823 ; 95.151,44.077 cw(c95.151,40.077) 97.151,43.541 ; 96.276,35.996 ccw(c95.241,39.86) 98.069,37.031 ; 98.069,42.868 cw(c95.241,40.039) 99.104,41.075 ; 98.742,37.95 ccw(c95.278,39.95) 99.278,39.95
  lines w1: 39.144,77.415 14.76,77.415 14.76,52.142 39.271,52.142 39.271,77.288

## Text inside footprints (layer, text, board x,y; h text height)
*1: Mechanical 13 "ANTENNA" at 51.854,75.009 h1.78
C10: Top Overlay "+" at 9.766,25.506 h0.89
C14: Top Overlay "+" at 20.1,47.499 h0.89 r180